# Altium PCB FSAES-22-E17 Temp Module PCB.PcbDoc (part 3 of 3)
Units mil, origin at the board's own origin, x right, y up, seen from the top; angles counter-clockwise.
Board outline 6776.17 x 2481.98 mil, 4 copper layers (Top Layer, Int 1 (GND), Int 2 (PWR), Bottom Layer), stack 53.912 mil thick; 294 components, 222 nets, 884 pads, 590 vias.
Unrouted connection lines stored in the file: 3.
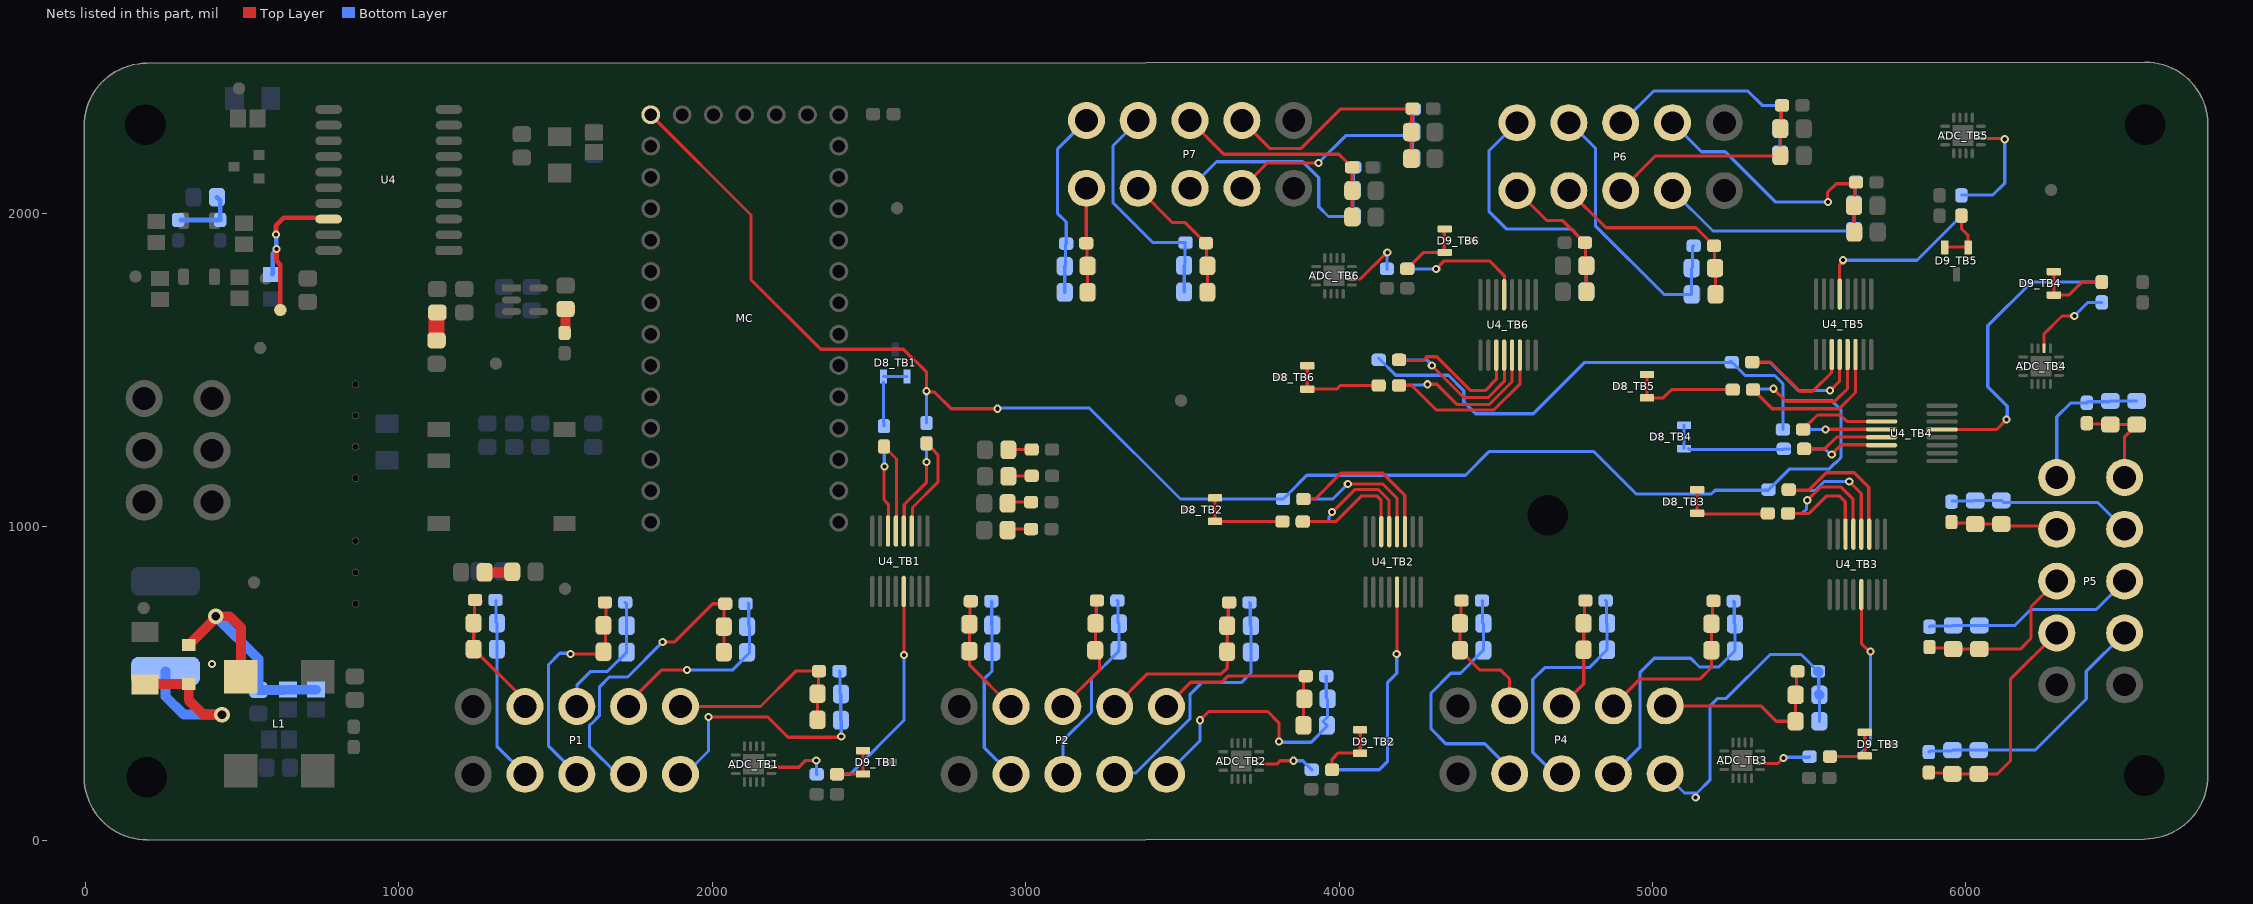
[diagram p5: the nets of this part, all layers, seen from the top]

## Via types
v1: diameter 25.98, hole 12.99, Top Layer to Bottom Layer, tented both sides, 575 vias
v2: diameter 25.98, hole 12.99, Top Layer to Bottom Layer, 8 vias
v3: diameter 50, hole 28, Top Layer to Bottom Layer, tented both sides, 6 vias
v4: diameter 21.65, hole 9.84, Top Layer to Bottom Layer, tented both sides, 1 vias

## Nets (pads, with @x,y where several pads share a name; then routed paths per layer and width w, separated by ;. In a path a pad name is that pad's centre, name@x,y a point inside that pad or via, vN(x,y) a via of type N, cw(c..) or ccw(c..) an arc to the next point about the centre after c; other vN are vias at no path point) (continued)
NetC1_2: C1.2 C2.2 C3.1 D2.K L1.1 | length 842.4
  Top Layer w31.5: D2.K@330,622.01 332.95,622.01 335.91,624.96 335.91,627.91 412.46,704.47 412.46,710.46 v3(416,714) 460,714 496.12,677.88 L1.1@496.12,521
  Bottom Layer w31.5: v3(416,714) 552.03,577.97 C3.1@552.03,478.87 C2.2@631.67,478.87 ; C2.2@646,479.5 C1.2@736,479.5
  other v1: 404,562
NetC14_1: C14.1 R5.1 R7.2 | length 194.7
  Bottom Layer w15: R7.2@304,1978.48 R5.1@422,1978.48 ; C14.1@419.87,2050.97 430,2040.84 R5.1@430,1978.48
NetD1_2: D1.2 D2.A F1.2 | length 602.1
  Top Layer w15: D1.2@190,496.93 D1.2@191.06,497.99
  Top Layer w31.5: D1.2@191.06,497.99 D2.A@330,497.99 330,446 376,400 v3(436,400)
  Bottom Layer w31.5: F1.2@256,538.6 256,458 314,400 v3(436,400)
NetD4_K: D4.K R14.2 | length 76
  Top Layer w10: D4.K@2942.8,989 2945.8,992 R14.2@3017.52,992
NetD5_K: D5.K R15.2 | length 76.4
  Top Layer w10: D5.K@2942.8,1074 2946.8,1078 R15.2@3017.52,1078
NetD6_K: D6.K R16.2 | length 75.5
  Top Layer w10: D6.K@2944.8,1160 2946.8,1162 R16.2@3019.52,1162
NetD7_K: D7.K R17.2 | length 75.1
  Top Layer w10: D7.K@2944.8,1245 2945.8,1246 R17.2@3019.52,1246
NetD8_TB1_1: D8_TB1.1 D8_TB1.2 R17_TB1.1 | length 216
  Bottom Layer w10: R17_TB1.1@2546,1334 D8_TB1.2@2546,1461.65 ; D8_TB1.2@2546.6,1479.28 D8_TB1.1@2621.4,1479.28 ; R17_TB1.1@2548,1320.48 R17_TB1.1@2548,1334
NetD8_TB2_1: D8_TB2.1 D8_TB2.2 R17_TB2.1 | length 289.9
  Top Layer w10: D8_TB2.2@3604.72,1091.4 D8_TB2.1@3604.72,1016.6 3655.4,1016.6 3656,1016 R17_TB2.1@3819.52,1016
NetD8_TB3_1: D8_TB3.1 D8_TB3.2 R17_TB3.1 | length 300.9
  Top Layer w10: D8_TB3.2@5142.72,1115.63 5142.72,1040 R17_TB3.1@5368,1040
NetD8_TB4_1: D8_TB4.1 D8_TB4.2 R17_TB4.1 | length 399.2
  Bottom Layer w10: D8_TB4.2@5100.72,1248.6 D8_TB4.1@5100.72,1323.4 ; D8_TB4.2@5114.72,1248.6 5117.31,1246 5173.5,1246 5178,1246 5417.26,1246 R17_TB4.1@5419.19,1247.94 R17_TB4.1@5437.19,1247.94
NetD8_TB5_1: D8_TB5.1 D8_TB5.2 R17_TB5.1 | length 361.9
  Top Layer w10: D8_TB5.2@4982.72,1488 4982.72,1414.62 D8_TB5.1@4982.72,1410.6 5034.6,1410.6 5061.21,1437.21 R17_TB5.1@5256.19,1437.21
NetD8_TB6_1: D8_TB6.1 D8_TB6.2 R17_TB6.1 | length 308
  Top Layer w10: D8_TB6.2@3898.72,1514 D8_TB6.1@3898.72,1438.6 3992.31,1438.6 4003.85,1450.14 R17_TB6.1@4126.55,1450.14
NetD9_TB1_1: D9_TB1.1 D9_TB1.2 R21_TB1.1 | length 154.2
  Top Layer w10: R21_TB1.1@2398,210 R21_TB1.1@2405.88,210 ; R21_TB1.1@2405.88,210.3 2474.17,210.3 2481.28,217.41 D9_TB1.1@2481.28,285.4
NetD9_TB2_1: D9_TB2.1 D9_TB2.2 R21_TB2.1 | length 206.2
  Top Layer w10: R21_TB2.1@3978.05,224 3978.05,258.05 3998,278 4023.86,278 D9_TB2.2@4071.88,278 ; D9_TB2.2@4067.58,284.1 4067.58,346.9 D9_TB2.1@4072.69,352
NetD9_TB3_1: D9_TB3.1 D9_TB3.2 R21_TB3.1 | length 188.2
  Top Layer w10: R21_TB3.1@5566.48,266 5677.28,266 D9_TB3.1@5677.28,343.4
NetD9_TB4_1: D9_TB4.1 D9_TB4.2 R21_TB4.1 | length 241.8
  Top Layer w10: D9_TB4.1@6280.72,1738.6 6328.6,1738.6 6370,1780 R21_TB4.1@6434,1780 ; D9_TB4.1@6280.72,1742 D9_TB4.2@6280.72,1813.4
NetD9_TB5_1: D9_TB5.1 D9_TB5.2 R21_TB5.1 | length 185.5
  Top Layer w10: D9_TB5.2@5932.6,1890.72 5934,1892.12 D9_TB5.1@6007.4,1892.12 ; R21_TB5.1@5986,1992 5986,1950 6007.4,1928.6 D9_TB5.1@6007.4,1890.72
NetD9_TB6_1: D9_TB6.1 D9_TB6.2 R21_TB6.1 | length 210.9
  Top Layer w10: R21_TB6.1@4217.61,1822.47 4269.14,1874 D9_TB6.2@4330.17,1874 ; D9_TB6.2@4337.28,1874.6 4335.57,1876.31 4335.57,1942.59 4340.98,1948 D9_TB6.1@4341.62,1948
NetR2_2: R2.2 RL_5V(ISO).K | length 82.9
  Top Layer w50: 1120.35,1594.33 1120.35,1676.01 1120.94,1676.6 R2.2@1121.32,1676.6
NetR3_2: "RL_3.3V (ISO).K" R3.2 | length 73
  Top Layer w31.5: R3.2@1532,1620.96 1532,1694
NetR4_2: "RL_5V (TMP).K" R4.2 | length 89.7
  Top Layer w31.5: R4.2@1274,854 1361.41,854
  Top Layer w50: 1361.41,854 1362,854.59 1362,856
NetR6_2: R6.2 RS.1 U4.18 | length 538.1
  Top Layer w15: v1(608,1932) 608,1960 633,1985 U4.18@774.02,1985 ; v1(610,1886) 610,1848 622,1836 RS.1@622,1691
  Bottom Layer w15: R6.2@596,1804.9 598,1806.9 598,1871.03 610,1883.03 v1(610,1886) 609,1887 609,1931 v1(608,1932)
NetR14_TB1_2: R14_TB1.2 U4_TB1.3 | length 352.2
  Top Layer w10: U4_TB1.3@2637.8,962.46 2639.03,963.69 2639.03,1061.03 2720,1142 2720,1229.52 2701.64,1247.88 2701.31,1247.88 2684,1265.19 R14_TB1.2@2684,1265.52
NetR14_TB2_2: R14_TB2.2 U4_TB2.3 | length 521.9
  Top Layer w10: R14_TB2.2@3886.48,1088 3924,1088 4006,1170 4140,1170 4209.8,1100.2 U4_TB2.3@4209.8,964.46
NetR14_TB3_2: R14_TB3.2 U4_TB3.3 | length 466.5
  Top Layer w10: R14_TB3.2@5434.96,1116 5498.85,1116 5554.85,1172 5644,1172 5690,1126 5690,1007.55 5690.13,1007.42 5690.13,957.02 U4_TB3.3@5690,956.89
NetR14_TB4_2: R14_TB4.2 U4_TB4.3 | length 300.6
  Top Layer w10: R14_TB4.2@5480.63,1309.94 5480.96,1309.94 5498.27,1327.24 5498.27,1327.57 5526.7,1356 5600,1356 5620.2,1335.8 U4_TB4.3@5753.54,1335.8
NetR14_TB5_2: R14_TB5.2 U4_TB5.3 | length 374
  Top Layer w10: R14_TB5.2@5318.67,1525.21 5376.79,1525.21 5470,1432 5512,1432 5571.69,1491.69 5571.69,1548.36 U4_TB5.3@5572.41,1549.09
NetR14_TB6_2: R14_TB6.2 U4_TB6.3 | length 452.6
  Top Layer w10: R14_TB6.2@4191.51,1529.86 4267.86,1529.86 4280,1542 4312,1542 4420,1434 4466,1434 4502.2,1470.2 4502.2,1546.49 U4_TB6.3@4501.61,1547.09
NetR15_TB1_2: R15_TB1.2 U4_TB1.4 | length 336.7
  Top Layer w10: U4_TB1.4@2612.6,962.46 2612.6,1070.6 2684,1142 v1(2684,1206)
  Bottom Layer w10: v1(2684,1206) R15_TB1.2@2684,1269.56
NetR15_TB2_2: R15_TB2.2 U4_TB2.4 | length 463.4
  Top Layer w10: v1(4028,1136) 4140,1136 4184.6,1091.4 U4_TB2.4@4184.6,964.46
  Bottom Layer w10: R15_TB2.2@3886.48,1088 3980,1088 v1(4028,1136)
NetR15_TB3_2: R15_TB3.2 U4_TB3.4 | length 417.1
  Top Layer w10: v1(5628,1144) 5666.41,1105.59 5666.41,950.38 U4_TB3.4@5665.66,949.63
  Bottom Layer w10: R15_TB3.2@5434.96,1115 5519,1115 5548,1144 v1(5628,1144) ; R15_TB3.2@5434.96,1118 R15_TB3.2@5435.96,1117
NetR15_TB4_2: R15_TB4.2 U4_TB4.4 | length 250.5
  Top Layer w10: v1(5552,1310) 5552.6,1310.6 U4_TB4.4@5753.54,1310.6
  Bottom Layer w10: R15_TB4.2@5503.28,1310 v1(5552,1310)
NetR15_TB5_2: R15_TB5.2 U4_TB5.4 | length 413.9
  Top Layer w10: v1(5566,1434) 5566.84,1434 5597.21,1464.37 5597.21,1548.69 U4_TB5.4@5597.61,1549.09
  Bottom Layer w10: R15_TB5.2@5318,1524 5376,1524 5466,1434 v1(5566,1434)
NetR15_TB6_2: R15_TB6.2 U4_TB6.4 | length 491.9
  Top Layer w10: v1(4296,1514) 4398,1412 4476,1412 4527.4,1463.4 4527.4,1546.49 U4_TB6.4@4526.8,1547.09
  Bottom Layer w10: R15_TB6.2@4191.51,1531.86 4280.15,1531.86 4296,1516.01 v1(4296,1514)
NetR16_TB1_2: R16_TB1.2 U4_TB1.5 | length 261.1
  Top Layer w10: R16_TB1.2@2548,1255.52 2548,1255.19 2565.31,1237.88 2565.64,1237.88 2588,1215.52 U4_TB1.5@2588,1011.2
NetR16_TB2_2: R16_TB2.2 U4_TB2.5 | length 459
  Top Layer w10: v1(3978,1046) 4050,1118 4126,1118 4159.4,1084.6 U4_TB2.5@4159.4,964.46
  Bottom Layer w10: R16_TB2.2@3884.48,1016 3961.34,1016 3967.87,1022.53 3967.87,1031.55 3978,1041.67 v1(3978,1046)
NetR16_TB3_2: R16_TB3.2 U4_TB3.5 | length 400.3
  Top Layer w10: v1(5494,1084) 5536,1126 5602,1126 5640.46,1087.54 U4_TB3.5@5640.46,960.71
  Bottom Layer w10: R16_TB3.2@5432.96,1042 5478,1042 5492.01,1056.01 5492.01,1082.01 v1(5494,1084)
NetR16_TB4_2: R16_TB4.2 U4_TB4.5 | length 267.9
  Top Layer w10: R16_TB4.2@5501.67,1247.94 5549.94,1247.94 5588,1286 5752.94,1286 U4_TB4.5@5753.54,1285.4
NetR16_TB5_2: R16_TB5.2 U4_TB5.5 | length 444.6
  Top Layer w10: v1(5386,1440) 5426,1400 5582,1400 5622.8,1440.8 U4_TB5.5@5622.8,1549.09
  Bottom Layer w10: R16_TB5.2@5321.15,1437.21 5322.54,1438.61 5384.61,1438.61 v1(5386,1440)
NetR16_TB6_2: R16_TB6.2 U4_TB6.5 | length 503.5
  Top Layer w10: v1(4282,1454) 4312,1454 4376,1390 4480,1390 4552,1462 U4_TB6.5@4552,1547.09
  Bottom Layer w10: R16_TB6.2@4191.51,1450.14 4193.44,1452.07 4280.07,1452.07 v1(4282,1454)
NetR17_TB1_2: R17_TB1.2 U4_TB1.6 | length 300.6
  Top Layer w10: v1(2550,1192) 2548,1190 2548,1086 2562.2,1071.8 U4_TB1.6@2562.2,962.46
  Bottom Layer w10: R17_TB1.2@2548,1255.52 2549,1254.52 2549,1193 v1(2550,1192)
NetR17_TB2_2: R17_TB2.2 U4_TB2.6 | length 409.2
  Top Layer w10: R17_TB2.2@3884.48,1016 3990,1016 4072,1098 4120.54,1098 4134.2,1084.34 U4_TB2.6@4134.2,964.46
NetR17_TB3_2: R17_TB3.2 U4_TB3.6 | length 331.5
  Top Layer w10: R17_TB3.2@5432.96,1042 5500,1042 5556,1098 5596,1098 5615.27,1078.73 U4_TB3.6@5615.27,960.71
NetR17_TB4_2: R17_TB4.2 U4_TB4.6 | length 272.2
  Top Layer w10: v1(5572,1230) 5572,1230.41 5602.51,1260.93 5752.82,1260.93 U4_TB4.6@5753.54,1260.2
  Bottom Layer w10: R17_TB4.2@5502.15,1247.94 5550.35,1247.94 5568.28,1230 v1(5572,1230)
NetR17_TB5_2: R17_TB5.2 U4_TB5.6 | length 495
  Top Layer w10: R17_TB5.2@5321.15,1437.21 5321.48,1437.21 5338.79,1419.91 5338.79,1419.58 5382.36,1376 5596,1376 5648,1428 U4_TB5.6@5648,1549.09
NetR17_TB6_2: R17_TB6.2 U4_TB6.6 | length 543.8
  Top Layer w10: R17_TB6.2@4191.51,1450.14 4231.86,1450.14 ; 4232.66,1449.34 4310,1372 4494,1372 4577.8,1455.8 4577.8,1546.49 U4_TB6.6@4577.2,1547.09
SCK: MC.13 R15_TB1.1 R15_TB2.1 R15_TB3.1 R15_TB4.1 R15_TB5.1 R15_TB6.1 | length 6704.6
  Top Layer w10: MC.13@1804,2314 2124,1994 2124,1788 2346,1566 2610,1566 2684,1492 v1(2684,1432) 2687.06,1428.94 2709.47,1428.94 2762.41,1376 v1(2910,1376)
  Bottom Layer w10: R15_TB1.1@2684,1330.48 v1(2684,1432) ; v1(2910,1376) 2912,1378 3204,1378 3494,1088 R15_TB2.1@3821.52,1088 3821.85,1088 3839.16,1105.31 3839.16,1105.64 3897.52,1164 4403.6,1164 4479.6,1240 4812,1240 4948,1104 5187.88,1104 5199.88,1116 5370,1116 5438,1184 5564,1184 5582.01,1202.01 5583.59,1202.01 5599.99,1218.41 5599.99,1219.99 5602,1222 5602,1372 5572,1402 5422.46,1402 ; R15_TB6.1@4126,1537.98 4181.09,1482.89 4349.11,1482.89 4398,1434 4398,1398 4436,1360 4620,1360 4784,1524 5246.5,1524 R15_TB5.1@5250.1,1527.61 ; R15_TB5.1@5250.1,1524 5252,1522.1 R15_TB5.1@5255.27,1522.1 ; R15_TB5.1@5255.58,1522.42 5296,1482 5390,1482 5416.6,1455.4 R15_TB4.1@5416.6,1309.9
"SCLCK (ADC)_TB1": ADC_TB1.11 R19_TB1.1 | length 196.6
  Top Layer w10: ADC_TB1.11@2189.09,232.16 2276.16,232.16 2298,254 v1(2332,254)
  Bottom Layer w10: v1(2332,254) 2332.76,253.24 2332.76,210.76 R19_TB1.1@2333.52,210
"SCLCK (ADC)_TB2": ADC_TB2.11 R19_TB2.1 | length 184.6
  Top Layer w10: ADC_TB2.11@3745.09,242.16 3801.84,242.16 3812.63,252.94 v1(3855.06,252.94)
  Bottom Layer w10: v1(3855.06,252.94) 3884.1,252.94 3895.4,241.64 3895.4,241.31 3912.71,224 R19_TB2.1@3913.04,224
"SCLCK (ADC)_TB3": ADC_TB3.11 R19_TB3.1 | length 156.7
  Top Layer w10: ADC_TB3.11@5353.83,244.16 5400.16,244.16 v1(5418,262)
  Bottom Layer w10: v1(5418,262) 5420,264 5499.52,264 R19_TB3.1@5501.52,266
"SCLCK (ADC)_TB4": ADC_TB4.11 R19_TB4.1 | length 271.8
  Top Layer w10: ADC_TB4.11@6249.84,1569.09 6249.84,1615.22 6306.62,1672 v1(6346,1672)
  Bottom Layer w10: v1(6346,1672) 6389.52,1715.52 R19_TB4.1@6434,1715.52
"SCLCK (ADC)_TB5": ADC_TB5.11 R19_TB5.1 | length 370.6
  Top Layer w10: ADC_TB5.11@6048,2238 6048.08,2237.92 6122.08,2237.92 v1(6124,2236)
  Bottom Layer w10: R19_TB5.1@5986,2058 6086,2058 6124,2096 v1(6124,2236)
"SCLCK (ADC)_TB6": ADC_TB6.11 R19_TB6.1 | length 190
  Top Layer w10: ADC_TB6.11@4051.83,1790.24 4068.3,1790.24 4152.07,1874 v1(4154,1874)
  Bottom Layer w10: R19_TB6.1@4153.3,1821.17 4153.3,1873.3 v1(4154,1874)
"SCLCK (SIGNAL ISO)_TB1": R19_TB1.2 U4_TB1.13 | length 696.6
  Top Layer w10: U4_TB1.13@2611.2,793.09 2611.6,792.68 2611.6,590.4 v1(2612,590) v1@2612.3,590.3
  Bottom Layer w10: R19_TB1.2@2398.48,210 2440,210 2612,382 v1(2612,590)
"SCLCK (SIGNAL ISO)_TB2": R19_TB2.2 U4_TB2.13 | length 740.8
  Top Layer w10: v1(4184,594) 4184.6,594.6 4184.6,790.49 U4_TB2.13@4185.2,791.09
  Bottom Layer w10: R19_TB2.2@3978,224 4128,224 4154.89,250.89 4154.89,502.89 4184,532 v1(4184,594)
"SCLCK (SIGNAL ISO)_TB3": R19_TB3.2 U4_TB3.13 | length 636.8
  Top Layer w10: U4_TB3.13@5666.41,783.09 5667.13,782.36 5667.13,626.56 5691.69,602 v1(5696,602)
  Bottom Layer w10: R19_TB3.2@5566.48,266 5654,266 5696,308 v1(5696,602)
"SCLCK (SIGNAL ISO)_TB4": R19_TB4.2 U4_TB4.13 | length 966.3
  Top Layer w10: U4_TB4.13@5924,1310 6098,1310 v1(6130,1342)
  Bottom Layer w10: v1(6130,1342) 6132,1344 6132,1384 6070,1446 6070,1640.62 6209.86,1780.48 R19_TB4.2@6434,1780.48
"SCLCK (SIGNAL ISO)_TB5": R19_TB5.2 U4_TB5.13 | length 559.5
  Top Layer w10: U4_TB5.13@5597.21,1732 5597.21,1834.89 5608,1845.67 v1(5608,1850)
  Bottom Layer w10: v1(5608,1850) 5844,1850 5968.36,1974.36 5968.69,1974.36 5986,1991.67 R19_TB5.2@5986,1992
"SCLCK (SIGNAL ISO)_TB6": R19_TB6.2 U4_TB6.13 | length 412.6
  Top Layer w10: v1(4310,1822) 4336,1848 4480,1848 4527.4,1800.6 U4_TB6.13@4527.4,1728.46
  Bottom Layer w10: R19_TB6.2@4217.57,1822.47 4217.8,1822.24 4309.76,1822.24 v1(4310,1822)
TempBank1_1: C29_TB1.1 P1.1 R22_TB1.2 R23_TB1.1 | length 890.4
  Top Layer w10: v1(1988,392) 2178,392 2242,328 2409.42,328 v1(2411.71,330.29)
  Bottom Layer w10: P1.1@1898.71,209.46 1913.64,209.46 1988,283.83 v1(1988,392) ; R22_TB1.2@2405.77,538.8 2408,536.57 2408,468 R23_TB1.1@2410.23,465.77 C29_TB1.1@2410.23,381.77 2411.71,380.29 v1(2411.71,330.29)
TempBank1_2: C30_TB1.1 P1.2 R24_TB1.2 R25_TB1.1 | length 645.8
  Top Layer w10: P1.2@1898.71,426 2154,426 2266.8,538.8 R24_TB1.2@2340.86,538.8 2338.62,536.57 2338.62,469.03 R25_TB1.1@2336.39,466.8 C30_TB1.1@2336.39,383.77
TempBank1_3: C31_TB1.1 P1.3 R26_TB1.2 R27_TB1.1 | length 1034.6
  Top Layer w10: v1(1842,632) 1880,632 2002,754 R26_TB1.2@2041.52,754 ; C31_TB1.1@2037.06,610.97 R27_TB1.1@2037.06,680.97 R26_TB1.2@2037.06,750.06
  Top Layer w31.5: P1.3@1733.35,203.46 P1.3@1733.35,209.46 P1.3@1733.35,222.65
  Bottom Layer w10: P1.3@1733.35,209.46 1698,209.46 1608.11,299.35 1608.11,365.33 1611.04,368.26 1611.51,368.72 ccw(c1568,426) 1618.18,374.47 1639.93,396.21 1639.93,487.93 1672,520 1730,520 v1(1842,632)
TempBank1_4: C32_TB1.1 P1.4 R28_TB1.2 R29_TB1.1 | length 623.9
  Top Layer w10: P1.4@1733.35,426 1733.35,437.52 1837.84,542 v1(1920,542)
  Bottom Layer w10: v1(1920,542) 2063.87,542 2118.9,597.03 2118.9,682.97 2116.66,685.2 2116.66,753.77 R28_TB1.2@2114.43,756
TempBank1_5: C33_TB1.1 P1.5 R30_TB1.2 R31_TB1.1 | length 754.3
  Top Layer w10: v1(1548,594) 1646.14,594 C33_TB1.1@1653.1,600.97 ; C33_TB1.1@1649.26,599.13 1659.1,608.97 1659.1,692.97 1661.31,695.18 1661.31,763.79 R30_TB1.2@1663.52,766
  Bottom Layer w10: v1(1548,594) 1546,596 1514,596 1478,560 1478,299.46 P1.5@1568,209.46
TempBank1_6: C34_TB1.1 P1.6 R32_TB1.2 R33_TB1.1 | length 431.5
  Bottom Layer w10: P1.6@1568,426 1568.2,426.2 1568.2,494.2 1612,538 1665.93,538 C34_TB1.1@1726.9,598.97 R33_TB1.1@1726.9,682.97 1726.9,754.06 1722.96,758 R32_TB1.2@1722.48,758
TempBank1_7: C35_TB1.1 P1.7 R34_TB1.2 R35_TB1.1 | length 592.4
  Bottom Layer w10: R34_TB1.2@1310.69,763.79 1310.69,694.21 R35_TB1.1@1312.9,692 C35_TB1.1@1312.9,608.97 1312.9,299.21 P1.7@1402.65,209.46
TempBank1_8: C36_TB1.1 P1.8 R36_TB1.2 R37_TB1.1 | length 409.6
  Top Layer w10: R36_TB1.2@1241.31,763.79 1241.31,694.21 R37_TB1.1@1239.1,692 C36_TB1.1@1239.1,608.97 1402.65,445.43 P1.8@1402.65,426 ; R36_TB1.2@1261.31,759.79 R36_TB1.2@1263.52,762
TempBank2_1: C29_TB2.1 P2.1 R22_TB2.2 R23_TB2.1 | length 903.5
  Top Layer w10: v1(3556,382) 3584,410 3772,410 3808,374 v1(3808,314)
  Bottom Layer w10: P2.1@3449.42,209.46 3556,316.05 v1(3556,382) ; v1(3808,314) 3810,312 3910.98,312 3961.04,362.06 C29_TB2.1@3961.04,366 3948.74,378.3 3963.04,392.59 R23_TB2.1@3963.04,450 3959.01,454.03 R22_TB2.2@3959.01,523.03
TempBank2_2: C30_TB2.1 P2.2 R24_TB2.2 R25_TB2.1 | length 641.9
  Top Layer w10: P2.2@3449.42,426 3526.74,503.32 3625.32,503.32 3645.03,523.03 R24_TB2.2@3886.22,523.03 ; C30_TB2.1@3886.22,366 3886.22,450 R24_TB2.2@3886.22,523.03 ; R24_TB2.2@3894.1,523.03 R24_TB2.2@3886.22,523.03
TempBank2_3: C31_TB2.1 P2.3 R26_TB2.2 R27_TB2.1 | length 841.5
  Bottom Layer w10: P2.3@3284.06,209.46 3288.86,214.26 3352.26,214.26 3524,386 3524,464 3562,502 3688,502 3718.94,532.94 C31_TB2.1@3718.94,598.97 R27_TB2.1@3718.94,682.97 3716.71,685.2 3716.71,755.77 R26_TB2.2@3714.48,758
TempBank2_4: C32_TB2.1 P2.4 R28_TB2.2 R29_TB2.1 | length 622
  Top Layer w10: P2.4@3284.06,426 3388.06,530 3624.75,530 3643.2,548.45 R29_TB2.1@3643.2,683.94 3646.36,687.1 3646.36,754.84 R28_TB2.2@3649.52,758
TempBank2_5: C33_TB2.1 P2.5 R30_TB2.2 R31_TB2.1 | length 631.1
  Bottom Layer w10: P2.5@3118.71,209.46 3118.71,316.71 3210,408 3210,515.16 3296.9,602.06 C33_TB2.1@3296.9,606 3297.45,606.55 3297.45,689.45 R31_TB2.1@3298,690 3295.24,692.76 3295.24,761.24 R30_TB2.2@3292.48,764
TempBank2_6: C34_TB2.1 P2.6 R32_TB2.2 R33_TB2.1 | length 386.9
  Top Layer w10: P2.6@3118.71,426 3236.13,543.42 C34_TB2.1@3236.13,602.97 ; C34_TB2.1@3222.13,604.97 3222.62,605.46 3222.62,690.48 R33_TB2.1@3223.1,690.97 3225.31,693.18 3225.31,761.79 R32_TB2.2@3227.52,764
TempBank2_7: C35_TB2.1 P2.7 R34_TB2.2 R35_TB2.1 | length 599
  Bottom Layer w10: R34_TB2.2@2890.96,762 2891.95,761.01 2891.95,685.96 R35_TB2.1@2892.94,684.97 C35_TB2.1@2892.94,600.97 2892.94,538.94 2868,514 2868,294.82 P2.7@2953.35,209.46
TempBank2_8: C36_TB2.1 P2.8 R36_TB2.2 R37_TB2.1 | length 392.8
  Top Layer w10: R36_TB2.2@2825.04,762 2822.81,759.77 2822.81,691.2 R37_TB2.1@2820.58,688.97 2820.58,558.78 P2.8@2953.35,426
TempBank3_1: C29_TB3.1 P4.1 R22_TB3.2 R23_TB3.1 | length 1018
  Bottom Layer w10: P4.1@5040.71,211.46 5102.17,150 5142,150 5184,192 5184,428 5208,452 5236,452 5376,592 5474.48,592 5510.84,555.64 5510.84,555.31 5528.15,538 R22_TB3.2@5528.48,538 ; R23_TB3.1@5530.71,465.2 R22_TB3.2@5530.71,535.77 ; C29_TB3.1@5532.94,378.97 R23_TB3.1@5532.94,462.97
  Bottom Layer w31.5: R22_TB3.2@5528.48,538 R22_TB3.2@5530.71,535.77 ; R23_TB3.1@5530.71,465.2 R23_TB3.1@5532.94,462.97
  other v1: 5138,136
TempBank3_2: C30_TB3.1 P4.2 R24_TB3.2 R25_TB3.1 | length 598
  Top Layer w10: P4.2@5040.71,428 5346,428 5395.03,378.97 C30_TB3.1@5456.72,378.97 R25_TB3.1@5456.72,462.97 5459.88,466.13 5459.88,534.84 R24_TB3.2@5463.04,538
TempBank3_3: C31_TB3.1 P4.3 R26_TB3.2 R27_TB3.1 | length 873.1
  Bottom Layer w10: P4.3@4875.35,211.46 4960,296.11 4960,534.14 5005.86,580 5122,580 5150,552 5211.97,552 C31_TB3.1@5262.94,602.97 R27_TB3.1@5262.94,688.97 5260.95,690.96 5260.95,760.01 R26_TB3.2@5258.96,762
TempBank3_4: C32_TB3.1 P4.4 R28_TB3.2 R29_TB3.1 | length 579.1
  Top Layer w10: P4.4@4875.35,428 4961.61,514.26 5152.26,514.26 5188.26,550.26 C32_TB3.1@5188.26,605.94 R29_TB3.1@5188.26,689.94 5191.66,693.34 5191.66,759.57 R28_TB3.2@5195.06,762.97
TempBank3_5: C33_TB3.1 P4.5 R30_TB3.2 R31_TB3.1 | length 787.4
  Bottom Layer w10: P4.5@4710,211.46 4686.45,211.46 4618,279.91 4618,512.14 4655.86,550 4797.93,550 C33_TB3.1@4854.9,606.97 R31_TB3.1@4854.9,690.97 4852.93,692.94 4852.93,762.03 R30_TB3.2@4850.96,764
TempBank3_6: C34_TB3.1 P4.6 R32_TB3.2 R33_TB3.1 | length 367.5
  Top Layer w10: P4.6@4710,428 4780.62,498.62 C34_TB3.1@4780.62,606.97 R33_TB3.1@4780.62,690.97 4783.31,693.66 4783.31,761.31 R32_TB3.2@4786,764
TempBank3_7: C35_TB3.1 P4.7 R34_TB3.2 R35_TB3.1 | length 817.7
  Bottom Layer w10: R34_TB3.2@4456,764 4458.21,761.79 4458.21,693.18 R35_TB3.1@4460.41,690.97 C35_TB3.1@4460.41,604.97 4387.45,532 4356.85,532 4294,469.15 4294,354 4340.89,307.11 4464.89,307.11 4544.65,227.35 P4.7@4544.65,211.46
TempBank3_8: C36_TB3.1 P4.8 R36_TB3.2 R37_TB3.1 | length 442.5
  Top Layer w10: R36_TB3.2@4391.04,764 4388.58,761.54 4388.58,693.42 R37_TB3.1@4386.13,690.97 4386.06,690.9 4386.06,606.06 C36_TB3.1@4386,606 4450,542 4516,542 4543.8,514.2 4543.8,428.84 P4.8@4544.65,428
TempBank4_1: C29_TB4.1 P5.1 R22_TB4.2 R23_TB4.1 | length 345.7
  Top Layer w10: R22_TB4.2@6386,1330 6388.23,1327.77 6458.8,1327.77 R23_TB4.1@6461.03,1325.54 C29_TB4.1@6545.03,1325.54 6506.54,1287.04 P5.1@6506.54,1156.71
TempBank4_2: C30_TB4.1 P5.2 R24_TB4.2 R25_TB4.1 | length 469.6
  Bottom Layer w10: P5.2@6290,1156.71 6290,1350 6334.13,1394.13 6385.17,1394.13 R24_TB4.2@6386,1394.96 6389.16,1398.12 6457.87,1398.12 R25_TB4.1@6461.03,1401.28 C30_TB4.1@6545.03,1401.28
TempBank4_3: C31_TB4.1 P5.3 R26_TB4.2 R27_TB4.1 | length 589.3